# Altium PCB beovox-poe.PcbDoc (part 2 of 2)
Units mm, origin at the board's own origin, x right, y up, seen from the top; angles counter-clockwise.
Board outline 92 x 67 mm, 4 copper layers (Top Layer, Layer 1, Layer 2, Bottom Layer), stack 1.586 mm thick; 86 components, 75 nets, 289 pads, 604 vias.
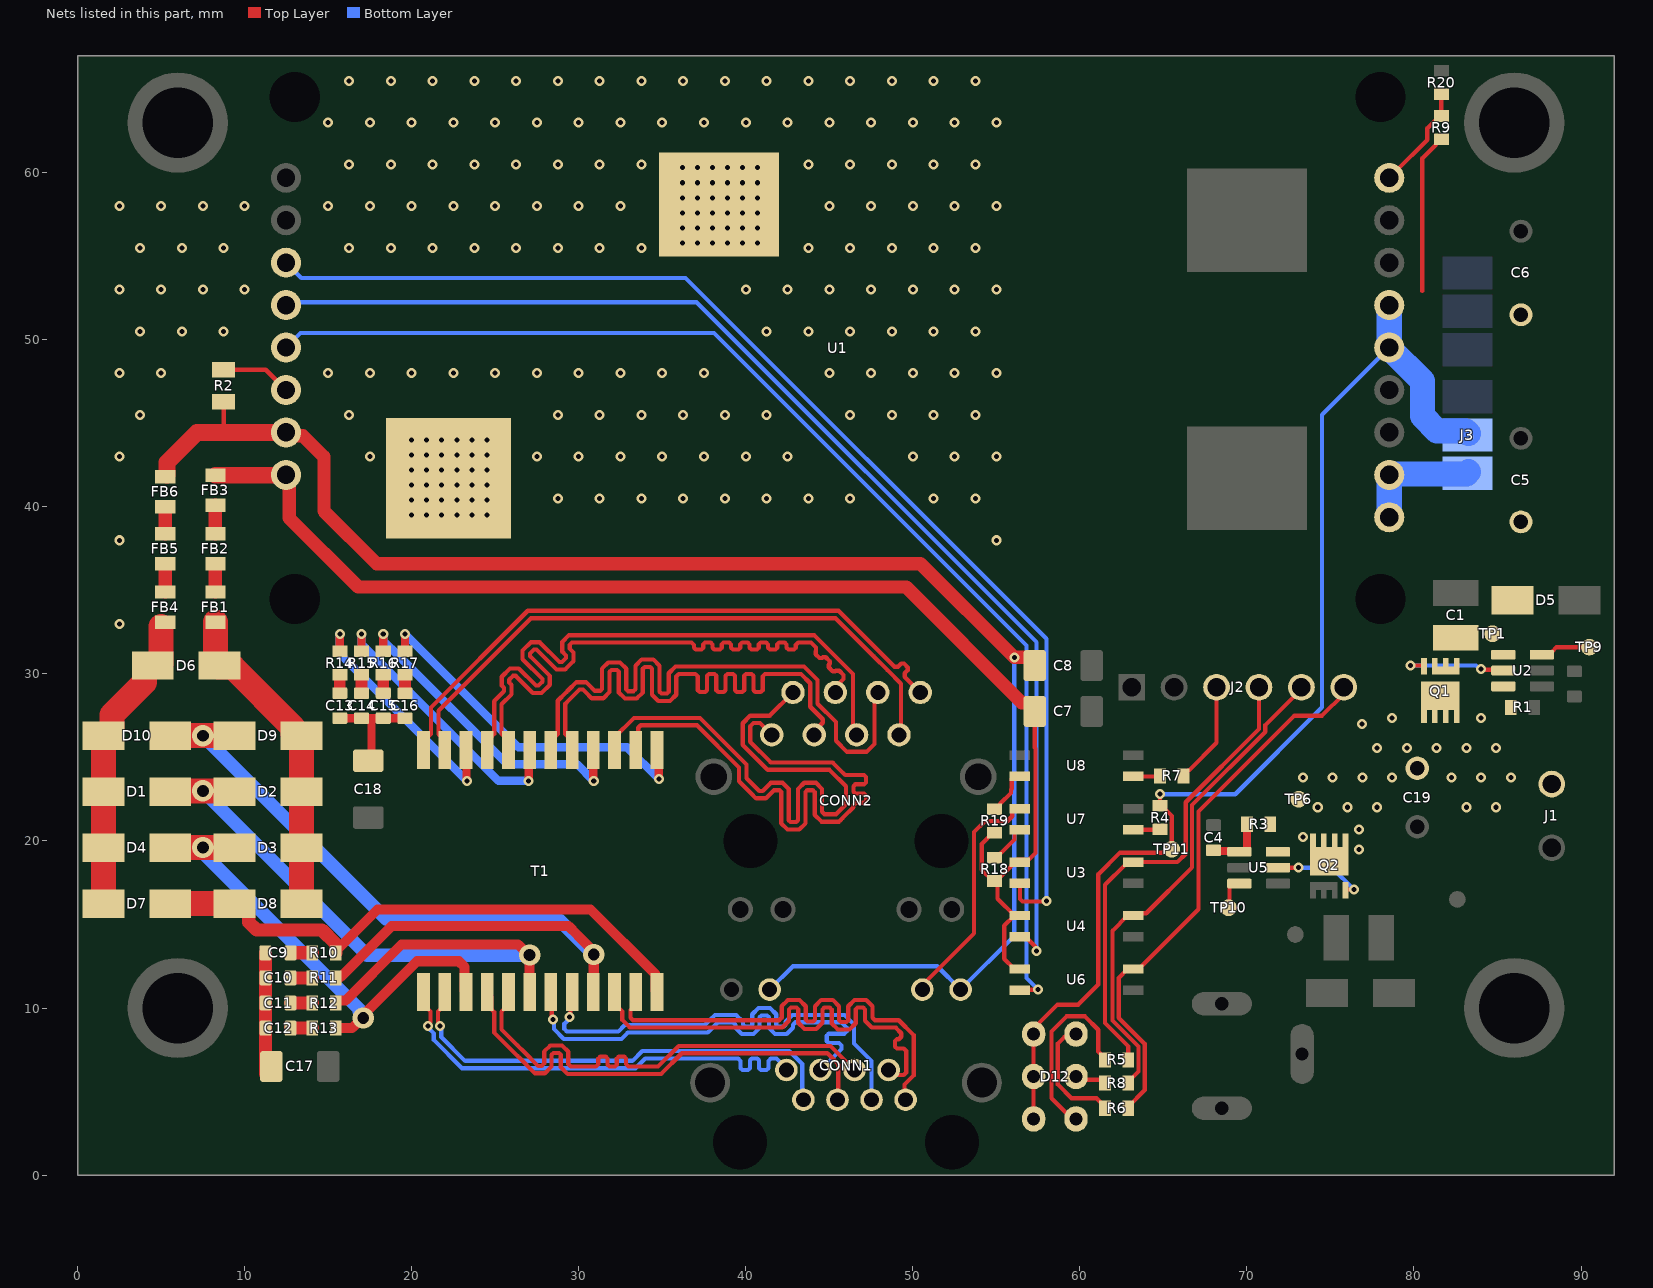
[diagram p4: the nets of this part, all layers, seen from the top]

## Via types
v1: diameter 0.6, hole 0.3, Top Layer to Bottom Layer, tented both sides, 289 vias
v2: diameter 0.6, hole 0.3, Top Layer to Bottom Layer, 157 vias
v3: diameter 0.61, hole 0.3, Top Layer to Bottom Layer, 144 vias
v4: diameter 1.27, hole 0.711, Top Layer to Bottom Layer, tented both sides, 5 vias
v5: diameter 0.6, hole 0.3, Top Layer to Bottom Layer, tented top, 4 vias
v6: diameter 1.27, hole 0.711, Top Layer to Bottom Layer, 3 vias
v7: diameter 1.27, hole 0.711, Top Layer to Bottom Layer, tented top, 2 vias

## Nets (pads, with @x,y where several pads share a name; then routed paths per layer and width w, separated by ;. In a path a pad name is that pad's centre, name@x,y a point inside that pad or via, vN(x,y) a via of type N, cw(c..) or ccw(c..) an arc to the next point about the centre after c; other vN are vias at no path point) (continued)
NetC4_2: C4.2 R3.1 U5.1 | length 3.6
  Top Layer w0.5: C4.2@68,19.45 68.055,19.395 69.5,19.395 U5.1@69.545,19.35 ; U5.1@69.645,19.35 69.955,19.35 70,19.395 R3.1@70,21
NetC9_1: C9.1 C10.1 C11.1 C12.1 C17.2 | length 7.3
  Top Layer w0.8: C9.1@11.25,13.3 C10.1@11.25,11.8 C11.1@11.25,10.3 C12.1@11.25,8.8 11.25,6.05 C17.2@11.3,6
NetC9_2: C9.2 R10.1 | length 1.3
  Top Layer w0.8: C9.2@12.75,13.3 R10.1@14.05,13.3
NetC10_2: C10.2 R11.1 | length 1.3
  Top Layer w0.8: C10.2@12.75,11.8 R11.1@14.05,11.8
NetC11_2: C11.2 R12.1 | length 1.3
  Top Layer w0.8: C11.2@12.75,10.3 R12.1@14.05,10.3
NetC12_2: C12.2 R13.1 | length 1.3
  Top Layer w0.8: C12.2@12.75,8.8 R13.1@14.05,8.8
NetC13_1: C13.1 C14.1 C15.1 C16.1 C18.2 | length 6.6
  Top Layer w0.5: C13.1@15.7,27.35 C14.1@17,27.35 17.6,27.35 ; C18.2@17.5,24.7 17.6,24.8 17.6,27.35 ; C16.1@19.6,27.3 19.55,27.35 C15.1@18.3,27.35 17.6,27.35
NetC13_2: C13.2 R14.1 | length 1.1
  Top Layer w0.7: C13.2@15.7,28.85 R14.1@15.7,29.95
NetC14_2: C14.2 R15.1 | length 1.1
  Top Layer w0.7: C14.2@17,28.85 R15.1@17,29.95
NetC15_2: C15.2 R16.1 | length 1.1
  Top Layer w0.7: C15.2@18.3,28.85 R16.1@18.3,29.95
NetC16_2: C16.2 R17.1 | length 1.1
  Top Layer w0.7: C16.2@19.6,28.85 R17.1@19.6,29.95
NetD1_2: D1.2 D2.1 R12.2 T1.18 | length 43.2
  Top Layer w0.6: R12.2@15.45,10.3 15.45,10.4 15.5,10.45 16.05,10.45 19.4,13.8 26.379,13.8 27.014,13.165 v7(27.065,13.165) ; v7@26.905,13.165 27.065,13.005 T1.18@27.065,10.96
  Top Layer w1.5: D1.2@5.55,22.95 5.6,23 9.35,23 D2.1@9.4,22.95
  Bottom Layer w0.8: v4(7.5,23) 17.335,13.165 v7(27.065,13.165)
NetD3_1: D3.1 D4.2 R13.2 T1.15 | length 29.2
  Top Layer w0.6: R13.2@15.45,8.8 16.439,8.8 17.039,9.4 v6(17.1,9.4) 17.1,9.577 20.323,12.8 22.824,12.8 23.175,12.449 23.175,11.04 T1.15@23.255,10.96
  Top Layer w1.5: D4.2@5.55,19.6 D3.1@9.4,19.6
  Bottom Layer w0.8: v4(7.5,19.6) 7.5,19.473 7.735,19.238 7.735,19.065 16.865,9.935 16.865,9.762 17.1,9.527 v6(17.1,9.4)
NetD7_2: D7.2 D8.1 R10.2 T1.24 | length 34.7
  Top Layer w0.6: R10.2@15.45,13.3 15.45,13.4 15.5,13.45 15.675,13.625 17.95,15.9 30.707,15.9 34.605,12.002 34.605,11.04 T1.24@34.685,10.96
  Top Layer w0.8: D8.1@9.356,15.944 10.106,15.944 10.25,15.8 10.25,15.137 10.719,14.669 14.631,14.669 15.45,13.85 R10.2@15.45,13.3
  Top Layer w1.5: D7.2@5.55,16.25 5.85,16.25 D8.1@9.4,16.25
NetD9_1: D9.1 D10.2 R11.2 T1.21 | length 52.5
  Top Layer w0.6: R11.2@15.45,11.8 15.5,11.85 15.75,11.85 18.8,14.9 29.4,14.9 29.923,14.377 29.923,14.358 30.9,13.381 30.9,10.985 T1.21@30.875,10.96
  Top Layer w1.5: D10.2@5.55,26.3 D9.1@9.4,26.3
  Bottom Layer w0.8: v4(7.5,26.3) 18.5,15.3 28.8,15.3 v7(30.9,13.2)
NetD12_2: D12.2 R6.1 | length 6.5
  Top Layer w0.254: D12.2@59.1,8.3 58.681,7.881 58.681,5.419 59.5,4.6 61,4.6 61.5,4.1 R6.1@61.5,4
NetD12_4: D12.4 R8.1 | length 1.9
  Top Layer w0.254: D12.4@59.77,5.9 59.97,5.7 61.3,5.7 R8.1@61.5,5.5
NetD12_6: D12.6 R5.1 | length 11.5
  Top Layer w0.254: D12.6@59.77,3.36 59.54,3.36 58.3,4.6 58.3,8.6 59.2,9.5 60.3,9.5 61.1,8.7 61.1,7.4 61.5,7 R5.1@61.5,6.9
NetFB1_2: FB1.2 FB2.1 | length 1.7
  Top Layer w0.8: FB1.2@8.25,34.9 FB2.1@8.25,36.6
NetFB2_2: FB2.2 FB3.1 | length 1.7
  Top Layer w0.8: FB2.2@8.25,38.4 FB3.1@8.25,40.1
NetFB4_2: FB4.2 FB5.1 | length 1.7
  Top Layer w0.8: FB4.2@5.25,34.9 FB5.1@5.25,36.6
NetFB5_2: FB5.2 FB6.1 | length 1.6
  Top Layer w0.8: FB5.2@5.25,38.4 FB6.1@5.25,40
NetQ1_4: Q1.4 U2.5 | length 6.5
  Top Layer w0.254: v1(79.8,30.5) 80.557,30.5 80.6,30.457 Q1.4@80.6,30.45 ; v1(84,30.3) 84.05,30.25 85.295,30.25 U2.5@85.345,30.2
  Bottom Layer w0.254: v1(79.8,30.5) 83.706,30.5 83.906,30.3 v1(84,30.3)
NetQ2_4: Q2.4 U5.5 | length 5.6
  Top Layer w0.254: U5.5@71.855,18.4 v1(73.1,18.4) ; Q2.4@75.9,17.05 75.9,17.057 75.943,17.1 v1(76.4,17.1)
  Bottom Layer w0.254: v1(73.1,18.4) 75.1,18.4 v1(76.4,17.1)
NetR2_2: R2.2 U1.6 | length 4.2
  Top Layer w0.254: R2.2@8.75,48.205 11.27,48.205 U1.6@12.48,46.995
NetR7_2: R7.2 U8.1 | length 1.6
  Top Layer w0.254: U8.1@63.191,23.865 64.765,23.865 R7.2@64.8,23.9
NetR9_2: R9.2 R20.2 U1.17 | length 6.2
  Top Layer w0.254: U1.17@78.9,59.7 78.9,60.075 80.8,61.975 80.8,62.667 81.533,63.4 R9.2@81.633,63.4 R20.2@81.633,64.7
NetR14_2: R14.2 T1.10 | length 14.4
  Top Layer w0.5: R14.2@15.7,31.35 v2(15.7,32.4) ; v5(23.3,23.6) 23.281,23.619 23.281,24.981 T1.10@23.3,25
  Bottom Layer w0.5: v2(15.7,32.4) 15.7,31.2 v5(23.3,23.6)
NetR15_2: R15.2 T1.7 | length 16.1
  Top Layer w0.5: R15.2@17,31.35 v2(17,32.4) ; T1.7@27,24.7 27.019,24.681 v5@27.019,23.619
  Bottom Layer w0.5: v2(17,32.4) 17,31.8 25.2,23.6 v5(27,23.6)
NetR16_2: R16.2 T1.4 | length 19.4
  Top Layer w0.5: R16.2@18.3,31.35 v2(18.3,32.4) ; T1.4@30.875,25.44 30.875,23.625 v5(30.9,23.6)
  Bottom Layer w0.5: v2@18.303,32.397 18.319,32.381 18.319,31.981 19.169,31.131 25.7,24.6 29.9,24.6 v5(30.9,23.6)
NetR17_2: R17.2 T1.1 | length 21.1
  Top Layer w0.5: R17.2@19.6,31.35 v2(19.6,32.4) ; v5(34.8,23.7) 34.781,23.719 34.781,24.881 T1.1@34.8,24.9
  Bottom Layer w0.5: v2(19.6,32.4) 20.469,31.531 26.4,25.6 32.9,25.6 v5(34.8,23.7)
NetR18_1: R18.1 U7.4 | length 2.5
  Top Layer w0.254: R18.1@54.9,19 55,19 55.223,19.223 55.223,19.229 56.079,20.085 56.079,20.513 56.231,20.665 U7.4@56.409,20.665
NetR19_1: R19.1 U8.4 | length 2.8
  Top Layer w0.254: R19.1@54.9,21.9 55,21.9 55.223,22.123 55.223,22.223 55.876,22.877 55.876,23.078 55.926,23.128 55.926,23.716 56.076,23.865 U8.4@56.409,23.865
NetTP9_1: TP9.1 U2.3 | length 3
  Top Layer w0.254: U2.3@87.655,31.15 88.085,31.15 88.253,31.318 88.253,31.32 88.533,31.6 TP9.1@90.5,31.6
NetTP10_1: TP10.1 U5.3 | length 2
  Top Layer w0.254: TP10.1@68.9,16 68.96,16.06 68.96,17.282 69.128,17.45 U5.3@69.545,17.45
PWR_LED: R4.1 U7.1 | length 1.9
  Top Layer w0.254: R4.1@64.8,20.7 64.77,20.7 64.735,20.665 U7.1@63.375,20.665 ; U7.1@63.375,20.665 U7.1@63.191,20.665 63.283,20.573 U7.1@63.375,20.665
PWR_LED_ISO: CONN1.10 U7.3 | length 14.3
  Top Layer w0.254: CONN1.10@50.3,11.1 53.669,14.469 53.669,20.531 54.315,21.177 55.651,21.177 55.949,21.475 55.949,21.783 56.102,21.935 U7.3@56.409,21.935
RPI_3V3: J2.3 R7.1 | length 6.1
  Top Layer w0.254: R7.1@66.2,23.9 66.2,24 66.423,24.223 66.523,24.223 68.18,25.88 J2.3@68.18,29.1
THERM_ISO: U1.18
  other v2: 2.5,33 2.5,38 55,38 28.75,40.5 31.25,40.5 33.75,40.5 36.25,40.5 38.75,40.5 41.25,40.5 43.75,40.5 46.25,40.5 51.25,40.5 53.75,40.5 2.5,43 17.5,43 27.5,43 30,43 32.5,43 35,43 37.5,43 40,43 42.5,43 50,43 52.5,43 55,43 3.75,45.5 16.25,45.5 28.75,45.5 31.25,45.5 33.75,45.5 36.25,45.5 38.75,45.5 41.25,45.5 46.25,45.5 48.75,45.5 51.25,45.5 53.75,45.5 2.5,48 5,48 15,48 17.5,48 20,48 22.5,48 25,48 27.5,48 30,48 32.5,48 35,48 37.5,48 45,48 47.5,48 50,48 52.5,48 55,48 3.75,50.5 6.25,50.5 8.75,50.5 41.25,50.5 43.75,50.5 46.25,50.5 48.75,50.5 51.25,50.5 53.75,50.5 2.5,53 5,53 7.5,53 10,53 40,53 42.5,53 45,53 47.5,53 50,53 52.5,53 55,53 3.75,55.5 6.25,55.5 8.75,55.5 16.25,55.5 18.75,55.5 21.25,55.5 23.75,55.5 26.25,55.5 28.75,55.5 31.25,55.5 33.75,55.5 43.75,55.5 46.25,55.5 48.75,55.5 51.25,55.5 53.75,55.5 2.5,58 5,58 7.5,58 10,58 15,58 17.5,58 20,58 22.5,58 25,58 27.5,58 30,58 32.5,58 45,58 47.5,58 50,58 52.5,58 55,58 16.25,60.5 18.75,60.5 21.25,60.5 23.75,60.5 26.25,60.5 28.75,60.5 31.25,60.5 33.75,60.5 43.75,60.5 46.25,60.5 48.75,60.5 51.25,60.5 53.75,60.5 15,63 17.5,63 20,63 22.5,63 25,63 27.5,63 30,63 32.5,63 35,63 37.5,63 40,63 42.5,63 45,63 47.5,63 50,63 52.5,63 55,63 16.25,65.5 18.75,65.5 21.25,65.5 23.75,65.5 26.25,65.5 28.75,65.5 31.25,65.5 33.75,65.5 36.25,65.5 38.75,65.5 41.25,65.5 43.75,65.5 46.25,65.5 48.75,65.5 51.25,65.5 53.75,65.5
  other v3: 20,39.5 20.9,39.5 21.8,39.5 22.7,39.5 23.6,39.5 24.5,39.5 20,40.4 20.9,40.4 21.8,40.4 22.7,40.4 23.6,40.4 24.5,40.4 20,41.3 20.9,41.3 21.8,41.3 22.7,41.3 23.6,41.3 24.5,41.3 20,42.2 20.9,42.2 21.8,42.2 22.7,42.2 23.6,42.2 24.5,42.2 20,43.1 20.9,43.1 21.8,43.1 22.7,43.1 23.6,43.1 24.5,43.1 20,44 20.9,44 21.8,44 22.7,44 23.6,44 24.5,44 36.2,55.8 37.1,55.8 38,55.8 38.9,55.8 39.8,55.8 40.7,55.8 36.2,56.7 37.1,56.7 38,56.7 38.9,56.7 39.8,56.7 40.7,56.7 36.2,57.6 37.1,57.6 38,57.6 38.9,57.6 39.8,57.6 40.7,57.6 36.2,58.5 37.1,58.5 38,58.5 38.9,58.5 39.8,58.5 40.7,58.5 36.2,59.4 37.1,59.4 38,59.4 38.9,59.4 39.8,59.4 40.7,59.4 36.2,60.3 37.1,60.3 38,60.3 38.9,60.3 39.8,60.3 40.7,60.3
TxRxA1_N: CONN2.2 T1.3 | length 36.9
  Top Layer w0.254: T1.3@32.145,25.44 32.145,26.205 33.308,27.368 37.26,27.368 40.044,24.584 40.044,23.756 40.33,23.47 40.805,22.995 41.015,22.995 41.501,23.481 42.201,23.481 42.572,23.11 42.572,21.239 42.683,21.128 43.015,21.128 43.126,21.239 43.126,23.11 43.497,23.481 44.197,23.481 44.567,23.11 44.567,21.749 44.716,21.6 45.4,21.6 45.625,21.825 46,22.2 46,23.273 45.017,24.256 41.316,24.256 39.818,25.755 39.818,27.046 40.272,27.5 41.435,27.5 CONN2.2@42.825,28.89
TxRxA1_P: CONN2.1 T1.2 | length 37
  Top Layer w0.254: T1.2@33.415,25.44 33.561,25.586 33.561,26.775 33.71,26.924 37.076,26.924 39.6,24.4 39.6,23.572 40.33,22.842 40.621,22.551 41.199,22.551 41.685,23.037 42.017,23.037 42.128,22.926 42.128,21.055 42.499,20.684 43.199,20.684 43.57,21.055 43.57,22.926 43.68,23.037 44.013,23.037 44.124,22.926 44.124,21.565 44.532,21.156 45.584,21.156 45.625,21.198 45.823,21.396 46.444,22.016 46.444,22.133 46.593,22.282 47.081,22.282 47.192,22.392 47.192,22.725 47.081,22.836 46.555,22.836 46.444,22.946 46.444,23.279 46.555,23.39 47.081,23.39 47.192,23.5 47.192,23.833 47.081,23.944 45.957,23.944 45.83,24.071 45.201,24.7 41.5,24.7 40.262,25.938 40.262,26.862 40.456,27.056 40.849,27.056 CONN2.1@41.555,26.35
TxRxA_N: CONN1.2 T1.22 | length 29.1
  Top Layer w0.254: T1.22@32.145,10.96 32.145,10.195 32.398,9.942 32.465,9.942 32.614,9.793 32.614,9.275 33.061,8.827 41.742,8.827 42.183,8.827 42.592,9.236 42.592,9.918 42.702,10.029 43.035,10.029 43.146,9.918 43.146,9.12 43.516,8.75 44.216,8.75 44.587,9.12 44.587,9.918 44.698,10.029 45.03,10.029 45.141,9.918 45.141,9.084 45.512,8.714 46.212,8.714 46.583,9.084 46.583,9.918 46.693,10.029 47.026,10.029 47.137,9.918 47.137,9.236 47.545,8.827 48.609,8.827 48.973,8.827 48.989,8.811 49.31,8.49 49.31,8.279 49.162,8.13 49.051,8.13 48.941,8.02 48.941,7.687 49.051,7.576 49.457,7.576 49.606,7.428 49.606,6.7 49.606,6.145 49.457,5.997 49.14,5.997 48.847,6.29 CONN1.2@48.55,6.29
TxRxA_P: CONN1.1 T1.23 | length 29
  Top Layer w0.254: T1.23@33.415,10.96 33.415,10.195 33.096,9.876 33.096,9.42 33.245,9.271 41.742,9.271 41.999,9.271 42.148,9.42 42.148,10.102 42.519,10.473 43.219,10.473 43.589,10.102 43.589,9.304 43.7,9.193 44.033,9.193 44.143,9.304 44.143,10.102 44.514,10.473 45.214,10.473 45.585,10.102 45.585,9.268 45.696,9.157 46.028,9.157 46.139,9.268 46.139,10.102 46.51,10.473 47.21,10.473 47.58,10.102 47.58,9.42 47.729,9.271 48.609,9.271 49.157,9.271 50.05,8.378 50.05,5.962 49.505,5.417 49.505,4.575 CONN1.1@49.57,4.51
TxRxB1_N: CONN2.6 T1.6 | length 37.2
  Top Layer w0.254: T1.6@28.335,25.44 28.335,26.005 28.588,26.258 28.599,26.258 28.748,26.407 28.748,28.393 29.247,28.892 29.374,29.019 29.86,29.505 30.438,29.505 30.847,29.096 30.958,28.985 31.29,28.985 31.401,29.096 31.401,30.314 31.772,30.685 32.472,30.685 32.843,30.314 32.843,29.077 32.953,28.967 33.286,28.967 33.397,29.077 33.397,30.488 33.767,30.858 34.467,30.858 34.838,30.488 34.838,28.938 34.949,28.827 35.281,28.827 35.392,28.938 35.392,30.035 35.801,30.444 36.242,30.444 43.484,30.444 44.3,29.628 44.3,28.215 45.4,27.115 45.4,26 46.066,25.334 47.234,25.334 47.709,25.809 47.709,28.694 CONN2.6@47.905,28.89
TxRxB1_P: CONN2.3 T1.5 | length 37.2
  Top Layer w0.254: T1.5@29.605,25.44 29.605,26.005 29.352,26.258 29.341,26.258 29.192,26.407 29.192,28.209 29.247,28.264 29.688,28.705 30.044,29.061 30.255,29.061 30.403,28.912 30.774,28.542 31.474,28.542 31.845,28.912 31.845,30.13 31.956,30.241 32.288,30.241 32.399,30.13 32.399,28.894 32.77,28.523 33.47,28.523 33.84,28.894 33.84,30.304 33.951,30.415 34.284,30.415 34.394,30.304 34.394,28.754 34.765,28.384 35.465,28.384 35.836,28.754 35.836,29.851 35.985,30 36.242,30 36.302,30 36.983,30 37.132,29.851 37.132,29.022 37.243,28.911 37.575,28.911 37.686,29.022 37.686,29.889 37.797,30 38.129,30 38.24,29.889 38.24,29.022 38.351,28.911 38.683,28.911 38.794,29.022 38.794,29.889 38.905,30 39.237,30 39.348,29.889 39.348,29.022 39.459,28.911 39.791,28.911 39.902,29.022 39.902,29.889 40.013,30 40.345,30 40.456,29.889 40.456,29.022 40.567,28.911 40.899,28.911 41.01,29.022 41.01,29.851 41.159,30 41.812,30 43.3,30 43.856,29.444 43.856,28.031 44.605,27.282 44.605,27.072 44.095,26.562 CONN2.3@44.095,26.35
TxRxB_N: CONN1.6 T1.19 | length 27.9
  Top Layer w0.254: T1.19@28.335,10.96 28.392,10.903 28.392,9.378 v1(28.448,9.322)
  Bottom Layer w0.254: v1(28.448,9.322) 28.514,9.256 28.514,8.74 29.105,8.15 32.557,8.15 32.941,8.534 37.728,8.534 37.791,8.597 38.232,9.038 38.338,9.144 39.239,9.144 39.388,8.995 39.388,8.814 39.759,8.444 40.459,8.444 40.83,8.814 40.83,9.442 40.94,9.553 41.273,9.553 41.384,9.442 41.384,8.814 41.754,8.444 42.454,8.444 42.825,8.814 42.825,8.995 42.974,9.144 43.231,9.144 45.72,9.144 45.727,9.137 46.038,8.826 46.038,8.605 45.889,8.456 44.965,8.456 44.854,8.346 44.854,8.013 44.965,7.902 45.574,7.902 45.723,7.754 45.723,7.543 44.825,6.645 CONN1.6@44.47,6.29
TxRxB_P: CONN1.3 T1.20 | length 27.9
  Top Layer w0.254: v1(29.439,9.449) 29.505,9.515 29.505,10.809 29.479,10.834 T1.20@29.605,10.96
  Bottom Layer w0.254: v1(29.439,9.449) 29.439,9.355 29.14,9.056 29.14,8.742 29.289,8.594 32.373,8.594 32.758,8.978 37.545,8.978 37.791,9.225 37.918,9.352 38.154,9.588 39.423,9.588 39.832,9.179 39.832,8.998 39.943,8.887 40.275,8.887 40.386,8.998 40.386,9.626 40.757,9.996 41.457,9.996 41.827,9.626 41.827,8.998 41.938,8.887 42.271,8.887 42.381,8.998 42.381,9.179 42.79,9.588 43.231,9.588 45.904,9.588 46.482,9.01 46.482,7.874 47.53,6.826 CONN1.3@47.53,4.51
TxRxC1_N: CONN2.5 T1.9 | length 37.1
  Top Layer w0.254: T1.9@24.525,25.44 24.525,26.005 24.778,26.258 24.789,26.258 24.938,26.407 24.938,26.934 24.938,28.366 25.531,28.959 25.531,29.169 25.392,29.308 25.392,29.832 25.887,30.327 26.411,30.327 27.437,29.302 27.593,29.302 27.828,29.537 27.828,29.694 26.643,30.879 26.643,31.404 27.138,31.899 27.662,31.899 28.848,30.713 29.004,30.713 29.239,30.948 29.239,31.105 29.013,31.331 29.013,31.909 29.421,32.318 29.785,32.318 44.093,32.318 46.416,29.996 46.416,26.569 CONN2.5@46.635,26.35
TxRxC1_P: CONN2.4 T1.8 | length 37.2
  Top Layer w0.254: T1.8@25.795,25.44 25.795,26.005 25.542,26.258 25.531,26.258 25.382,26.407 25.382,26.49 25.382,28.182 25.975,28.775 25.975,29.353 25.836,29.492 25.836,29.649 26.071,29.884 26.227,29.884 27.253,28.858 27.777,28.858 28.272,29.353 28.272,29.878 27.087,31.063 27.087,31.22 27.322,31.455 27.478,31.455 28.664,30.269 29.188,30.269 29.683,30.764 29.683,31.289 29.456,31.515 29.456,31.726 29.605,31.874 30.229,31.874 36.072,31.874 36.753,31.874 36.902,31.726 36.902,31.571 37.012,31.46 37.345,31.46 37.456,31.571 37.456,31.764 37.566,31.874 37.899,31.874 38.01,31.764 38.01,31.571 38.12,31.46 38.453,31.46 38.564,31.571 38.564,31.764 38.674,31.874 39.007,31.874 39.118,31.764 39.118,31.571 39.228,31.46 39.561,31.46 39.672,31.571 39.672,31.764 39.782,31.874 40.115,31.874 40.226,31.764 40.226,31.571 40.336,31.46 40.669,31.46 40.78,31.571 40.78,31.764 40.89,31.874 41.223,31.874 41.334,31.764 41.334,31.571 41.444,31.46 41.777,31.46 41.888,31.571 41.888,31.764 41.998,31.874 42.331,31.874 42.442,31.764 42.442,31.571 42.552,31.46 42.885,31.46 42.996,31.571 42.996,31.726 43.144,31.874 43.468,31.874 43.547,31.874 43.909,31.874 44.21,31.574 44.21,31.363 44.184,31.337 44.184,31.181 44.419,30.946 44.576,30.946 44.629,30.999 44.785,30.999 45.02,30.764 45.02,30.607 44.967,30.554 44.967,30.397 45.202,30.162 45.359,30.162 45.385,30.188 45.596,30.188 45.856,29.927 45.856,29.782 45.856,29.691 45.365,29.2 CONN2.4@45.365,28.89
TxRxC_N: CONN1.5 T1.16 | length 29
  Top Layer w0.254: T1.16@24.525,10.96 24.778,10.707 24.778,9.922 24.938,9.762 24.938,8.539 26.315,7.162 26.442,7.035 27.388,6.089 27.966,6.089 28.375,6.498 28.375,7.203 28.486,7.314 28.818,7.314 28.929,7.203 28.929,6.465 29.338,6.056 30.776,6.056 34.936,6.056 36.17,7.29 44.883,7.29 45.533,6.64 45.533,4.553 CONN1.5@45.49,4.51
TxRxC_P: CONN1.4 T1.17 | length 29.2
  Top Layer w0.254: T1.17@25.795,10.96 25.795,10.195 25.382,9.782 25.382,8.723 26.315,7.789 26.756,7.349 27.572,6.533 27.783,6.533 27.931,6.681 27.931,7.387 28.302,7.757 29.002,7.757 29.373,7.387 29.373,6.649 29.522,6.5 30.776,6.5 30.899,6.5 31.026,6.5 31.174,6.649 31.174,6.98 31.285,7.091 31.618,7.091 31.728,6.98 31.728,6.611 31.839,6.5 32.172,6.5 32.282,6.611 32.282,6.98 32.393,7.091 32.726,7.091 32.836,6.98 32.836,6.649 32.985,6.5 33.982,6.5 34.752,6.5 35.986,7.734 45.066,7.734 CONN1.4@46.51,6.29
TxRxD1_N: CONN2.8 T1.12 | length 37.2
  Top Layer w0.254: T1.12@20.715,25.44 20.715,26.005 20.968,26.258 21.007,26.258 21.156,26.407 21.156,27.981 26.953,33.778 45.557,33.778 48.098,31.237 48.818,30.516 48.908,30.427 49.119,30.427 49.309,30.617 49.465,30.617 49.7,30.382 49.7,30.225 49.51,30.035 49.51,29.825 49.627,29.708 49.715,29.62 49.716,29.618 CONN2.8@50.445,28.89
TxRxD1_P: CONN2.7 T1.11 | length 37.2
  Top Layer w0.254: T1.11@21.985,25.44 21.985,26.005 21.6,26.39 21.6,27.798 27.137,33.334 45.373,33.334 47.654,31.054 48.505,30.203 49.296,29.411 49.296,26.471 CONN2.7@49.175,26.35
TxRxD_N: CONN1.8 T1.13 | length 27.9
  Top Layer w0.254: T1.13@20.715,10.96 20.715,10.195 20.968,9.942 20.979,9.942 21.128,9.793 21.128,9.157 20.98,9.009 v1(20.98,8.915)
  Bottom Layer w0.254: v1(20.98,8.915) 20.98,8.822 21.33,8.472 21.33,8.083 23.018,6.395 33.395,6.395 33.984,6.984 39.307,6.984 39.543,6.984 39.692,6.835 39.692,6.395 39.803,6.284 40.135,6.284 40.246,6.395 40.246,6.873 40.357,6.984 40.689,6.984 40.8,6.873 40.8,6.395 40.911,6.284 41.243,6.284 41.354,6.395 41.354,6.835 41.503,6.984 41.63,6.984 41.841,6.984 42.43,6.395 CONN1.8@42.43,6.29
TxRxD_P: CONN1.7 T1.14 | length 27.9
  Top Layer w0.254: v1(21.707,8.915) 21.707,9.009 21.572,9.145 21.572,9.793 21.721,9.942 21.732,9.942 21.985,10.195 T1.14@21.985,10.96
  Bottom Layer w0.254: v1(21.707,8.915) 21.774,8.849 21.774,8.267 23.202,6.839 33.211,6.839 33.8,7.428 42.606,7.428 43.385,6.648 43.385,4.575 CONN1.7@43.45,4.51
Type2: J2.4 R5.2 U3.4 | length 28.3
  Top Layer w0.254: R5.2@62.9,6.9 62.9,7.7 61.5,9.1 61.5,17.374 62.726,18.6 U3.4@63.191,18.6 ; U3.4@63.191,18.735 65.835,18.735 66.338,19.238 66.338,22.316 70.72,26.698 J2.4@70.72,29.1
Type2-Det: U1.3 U3.2 | length 73.1
  Top Layer w0.254: U3.2@56.409,17.465 56.409,16.531 56.558,16.382 57.983,16.382 v1(58,16.4)
  Bottom Layer w0.254: U1.3@12.48,54.615 13.395,53.7 36.4,53.7 58,32.1 v1(58,16.4)
Type3: J2.5 R8.2 U4.4 | length 29.9
  Top Layer w0.254: R8.2@62.9,5.4 62.9,5.6 63.504,6.204 63.504,7.696 61.946,9.254 61.946,14.621 62.861,15.535 U4.4@63.191,15.535 63.329,15.673 63.973,15.673 66.719,18.419 66.719,22.158 71.101,26.54 71.101,26.941 J2.5@73.26,29.1
Type3-Det: U1.4 U4.2 | length 73.4
  Top Layer w0.254: U4.2@56.409,14.265 56.739,14.265 57.334,13.671 57.334,13.466 v1(57.4,13.4)
  Bottom Layer w0.254: U1.4@12.48,52.075 12.655,52.25 37.05,52.25 57.4,31.9 v1(57.4,13.4)
Type4: J2.6 R6.2 U6.4 | length 33.1
  Top Layer w0.254: R6.2@62.9,4 62.9,4.1 63.885,5.085 63.885,7.854 62.327,9.412 62.327,11.802 62.861,12.335 63.521,12.335 67.1,15.914 67.1,21.761 72.839,27.5 74.5,27.5 75.8,28.8 J2.6@75.8,29.1
Type4-Det: U1.5 U6.2 | length 74.4
  Top Layer w0.254: U6.2@56.409,11.065 56.444,11.1 v1(57.5,11.1)
  Bottom Layer w0.254: U1.5@12.48,49.535 13.345,50.4 38.1,50.4 56.8,31.7 56.8,11.8 v1(57.5,11.1)
VCC: C19.P J1.2 Q1.5 Q1.6 Q1.7 Q1.8 Q2.5 Q2.6 Q2.7 Q2.8 R1.2 R3.2 TP6.1 U2.6 U5.6
  other v1: 76.7,19.5 73.35,20.24 76.7,20.7 74.239,22.018 76.017,22.018 77.795,22.018 83.129,22.018 84.907,22.018 73.35,23.796 75.128,23.796 76.906,23.796 78.684,23.796 82.24,23.796 84.018,23.796 85.796,23.796 77.795,25.574 79.573,25.574 81.351,25.574 83.129,25.574 84.907,25.574 76.9,27 78.684,27.352 84.018,27.352
VIN2+: C7.1 FB3.2 R18.2 R19.2 U1.8 U3.1 U4.1 U6.1 | length 78.7
  Top Layer w0.254: R18.2@54.8,17.6 54.123,18.277 54.123,19.823 54.8,20.5 R19.2@54.9,20.5 ; R18.2@54.9,17.6 R18.2@55.074,17.774 ; U6.1@56.409,12.335 56.079,12.335 55.467,12.947 55.467,14.923 U4.1@56.079,15.535 ; U4.1@56.409,15.535 U4.1@56.079,15.535 ; C7.1@57.3,27.75 57.3,25.596 57.346,25.55 57.346,19.272 56.961,18.887 56.231,18.887 55.926,18.583 55.926,18.527 55.223,17.823 55.174,17.774 R18.2@55.074,17.774 ; R18.2@55.074,17.774 55.074,16.54 U4.1@56.079,15.535
  Top Layer w0.8: U1.8@12.465,41.9 U1.8@12.48,41.915 12.671,41.724 12.671,39.329 16.8,35.2 49.6,35.2 56.525,28.275 57.025,28.275 57.3,28 C7.1@57.3,27.75
  Top Layer w1: FB3.2@8.25,41.9 U1.8@12.465,41.9
VIN2-: C8.1 CONN1.9 CONN1.11 FB6.2 R2.1 U1.7 | length 96.9
  Top Layer w0.254: 8.75,44.455 R2.1@8.75,46.295
  Top Layer w0.8: U1.7@12.48,44.455 12.671,44.264 13.486,44.264 14.75,43 14.75,39.75 17.9,36.6 50.462,36.6 v1(56.073,30.989) 57.025,30.989 57.3,30.714 C8.1@57.3,30.5
  Top Layer w1: FB6.2@5.35,41.9 5.35,42.65 7.155,44.455 8.75,44.455 U1.7@12.48,44.455
  Bottom Layer w0.254: CONN1.11@41.43,11.1 42.83,12.5 51.46,12.5 CONN1.9@52.86,11.1 56.073,14.313 v1(56.073,30.989)
VIN+: D2.2 D3.2 D6.2 D8.2 D9.2 FB1.1 | length 19.8
  Top Layer w1.5: FB1.1@8.25,33.1 8.25,32.647 8.25,30.6 8.45,30.4 9.3,30.4 12.9,26.8 12.9,26.4 13,26.3 D9.2@13.4,26.3 13.4,23.05 D2.2@13.5,22.95 ; D8.2@13.4,16.25 D3.2@13.4,19.6 D2.2@13.4,22.95
VIN-: D1.1 D4.1 D6.1 D7.1 D10.1 FB4.1 | length 18.8
  Top Layer w1.5: D7.1@1.55,16.25 D4.1@1.55,19.6 ; D4.1@1.65,19.6 1.55,19.7 D1.1@1.55,22.95 D10.1@1.55,26.3 1.95,26.3 2.05,26.4 2.05,27.55 4,29.5 4,30.4 4.1,30.5 4.9,30.5 5,30.6 FB4.1@5,32.85
VOUT1: C6.P D12.1 D12.3 D12.5 J3.2 R4.2 R9.1 TP11.1 U1.13 U1.14 | length 80.9
  Top Layer w0.254: D12.5@57.23,3.36 D12.3@57.23,5.9 D12.1@57.23,8.44 57.23,8.769 58.661,10.2 59.9,10.2 61.1,11.4 61.1,18 62.4,19.3 64.978,19.3 65.035,19.357 65.155,19.357 65.3,19.502 65.3,19.7 65.359,19.7 65.504,19.845 65.504,21.496 64.9,22.1 R4.2@64.8,22.1 v1(64.8,22.8) ; 80.5,52.927 80.5,60.867 81.31,61.677 81.31,61.777 81.533,62 R9.1@81.633,62
  Bottom Layer w0.254: v1(64.8,22.8) 69.3,22.8 74.5,28 74.5,45.515 U1.13@78.52,49.535
  Bottom Layer w1.5: U1.14@78.52,52.075 U1.13@78.52,49.535 78.52,49.508 80.5,47.528 80.5,45.429 81.379,44.55 83.121,44.55 J3.2@83.271,44.4
VOUT2: C1.2 C5.P D5.2 J3.1 Q1.1 Q1.2 Q1.3 TP1.1 U1.9 U1.10 U2.4 | length 7.4
  Bottom Layer w1.5: U1.9@78.52,39.375 U1.10@78.52,41.915 78.577,41.972 83.144,41.972 J3.1@83.271,42.1
pads on no net: CONN1.Hole CONN2. CONN2.9 CONN2.10 CONN2.11 CONN2.12 J4.3 MP1.1 MP3.1 U1.1 U1.2 U1.HOLE

## Polygon pours and split planes (outlines as drawn)
THERM_ISO on Top Layer "THERM_ISO_L01_P012" (solid, remove dead copper, pour order 12): 56.5,67 0,67 0,32.1 56.5,32.1
0V2 on Top Layer "0V2_L01_P009" (solid, pour order 9): 77,43.33 77,48.03 88,48.03 88,43.33
VOUT1 on Top Layer "VOUT1_L01_P005" (solid, pour order 5): 77,53.2 77,48.5 88,48.5 88,53.2
BARREL_IN on Top Layer "BARREL_IN_L01_P000" (solid, remove dead copper, pour order 0): 66.5,9.4 76.1,9.4 76.1,17.5 71.7,17.5 66.5,12.3
VOUT2 on Top Layer "VOUT2_L01_P002" (solid, remove dead copper, pour order 2): 77,43.1 77,38 82.9,38 84.2,36.7 84.2,33.4 81,33.4 81,30.1 86.1,30.1 86.1,32 87.5,33.4 87.5,39.6 84,43.1
VCC on Top Layer "VCC_L01_P004" (solid, remove dead copper, pour order 4): 86.1,29.5 86.1,26.2 87,25.3 90.4,25.3 90.4,21.7 79.8,21.7 76.3,18.2 71.6,18.2 71.6,23.2 77.9,29.5
GND on Top Layer "GND_L01_P010" (solid, remove dead copper, pour order 10): 92,67 92,0 60,0 60,67
THERM_ISO on Layer 1 "THERM_ISO_L02_P013" (solid, remove dead copper, pour order 13): 56.5,67 0,67 0,35.357 56.5,35.357
GND on Layer 1 "GND_L02_P006" (solid, remove dead copper, pour order 6): 92,67 92,0 60,0 60,67
CGND on Layer 1 "CGND_L02_P001" (solid, remove dead copper, pour order 1): 16.5,34.7 16.5,0 55.5,0 55.5,34.7
CGND on Layer 2 "CGND_L03_P017" (solid, pour order 17): 16.5,0 55.5,0 55.5,12.2 16.5,12.2
THERM_ISO on Layer 2 "THERM_ISO_L03_P015" (solid, remove dead copper, pour order 15): 56.5,67 0,67 0,25.679 56.5,25.679
GND on Layer 2 "GND_L03_P008" (solid, remove dead copper, pour order 8): 92,67 92,0 60,0 60,67
VCC on Bottom Layer "VCC_L04_P016" (solid, remove dead copper, pour order 16): 86.1,29.5 86.1,26.2 87,25.3 90.4,25.3 90.4,21.7 79.8,21.7 77.1,19 71.6,19 71.6,23.2 77.9,29.5
THERM_ISO on Bottom Layer "THERM_ISO_L04_P011" (solid, remove dead copper, pour order 11): 56.5,67 0,67 0,0 56.5,0
0V2 on Bottom Layer "0V2_L04_P007" (solid, pour order 7): 81.8,45.8 81.8,50 86,50 88,48 88,43.3 85,43.3 85,45.8
GND on Bottom Layer "GND_L04_P018" (solid, remove dead copper, pour order 18): 92,67 92,0 60,0 60,67

## Keep-outs
Layer 1:
  rectangle: 18.8,10.725 36.6,25.675
Layer 2:
  rectangle: 18.8,10.725 36.6,25.675
Bottom Layer:
  rectangle: 18.8,10.725 36.6,25.675

## Other copper
Top Layer:
  rectangle net GND: 64.7,53 74.8,61.4
  rectangle net GND: 65.4,37.3 75.5,45.7
Bottom Layer:
  pour cut-out: 16.5,0 16.5,13.6 54.61,13.6 54.61,0

## Silkscreen, mask and mechanical layers (free items; w line width, h text height)
Top Overlay:
  lines w0.8: 55.9,0.55 55.9,8.9 59,12 59,67
  text "VOUT2" at 85.3,31.9 h1.2
  text "GND" at 62.637,27.6 h1.1 r270
  text "LINK" at 65.192,27.6 h1.1 r270
  text "3V3" at 67.722,27.6 h1.1 r270
  text "Type2" at 70.138,27.6 h1.1 r270
  text "Type3" at 72.678,27.6 h1.1 r270
  text "Type4" at 75.218,27.6 h1.1 r270
  text "DATA" at 37.6,26.4 h1.8 r90
  text "VCC" at 87.818,25.722 h2
  text "VCC" at 72,23.3 h1.2
  text "VOUT1" at 64.2,18 h1.2
  text "GND" at 87.703,16.222 h2
  text "GND" at 81.4,14.9 h1.2
  text "BARREL_IN" at 68.4,13.1 h1.2
  text "REV2" at 27.8,3.5 h2
  text "BEOVOX-POE" at 16.9,1.1 h2.6
  text "DATA & POWER" at 36.3,0.7 h1.8 r90
  text "HiFiBerry recommends 12-24VDC / (20VDC Ideal)" at 74.7,0.5 h2
Bottom Overlay:
  drawing of 216 lines, arcs and shapes, not listed
  text "12V" at 88.4,49.4 h1.8
  text "24V" at 88.4,44.9 h1.8
  text "12V" at 88.4,42.2 h1.8
  text "Type 1 ~13W - No LED / Type 2 ~25W - Bottom LED / Type 3 ~50W - Middle LED / Type 4 ~80W - Top LED" at 60.6,0.9 h1.6 r270
Top Solder:
  rectangle: 66.4,54.085 73.6,60.285
  rectangle: 66.4,38.585 73.6,44.785
  rectangle: 34.8,54.985 42,61.185
Board Outline:
  the board outline again, w0.254
Fab Notes:
  rectangle: 0,-3.5 92,0

## Dimensions
92,67 to 0,67 on Fab Notes
92,0 to 92,67 on Fab Notes

## Text inside footprints (layer, text, board x,y; h text height)
C5: Top Overlay "+" at 91,36.355 h1.52 r90
C6: Top Overlay "+" at 91,48.755 h1.52 r90
C19: Top Overlay "+" at 77.133,26.7 h1 r270
CONN1: Top Overlay "G" at 50.57,11.1 h0.8; Top Overlay "Y" at 39.14,11.1 h0.8
CONN2: Top Overlay "G" at 52.325,15.94 h0.8 r180; Top Overlay "Y" at 42.225,15.94 h0.8 r180; Top Overlay "-" at 53.6,18 h0.8 r180; Top Overlay "-" at 43.5,18 h0.8 r180; Top Overlay "+" at 51.05,18 h0.8 r180; Top Overlay "+" at 40.95,18 h0.8 r180
U3: Top 3D Body "*" at 57.565,18.202 h1.27
U4: Top 3D Body "*" at 57.565,15.002 h1.27
U6: Top 3D Body "*" at 57.565,11.802 h1.27
U7: Top 3D Body "*" at 62.035,21.198 h1.27 r180
U8: Top 3D Body "*" at 62.035,24.398 h1.27 r180